# KiCad board Marble.kicad_pcb (continued)
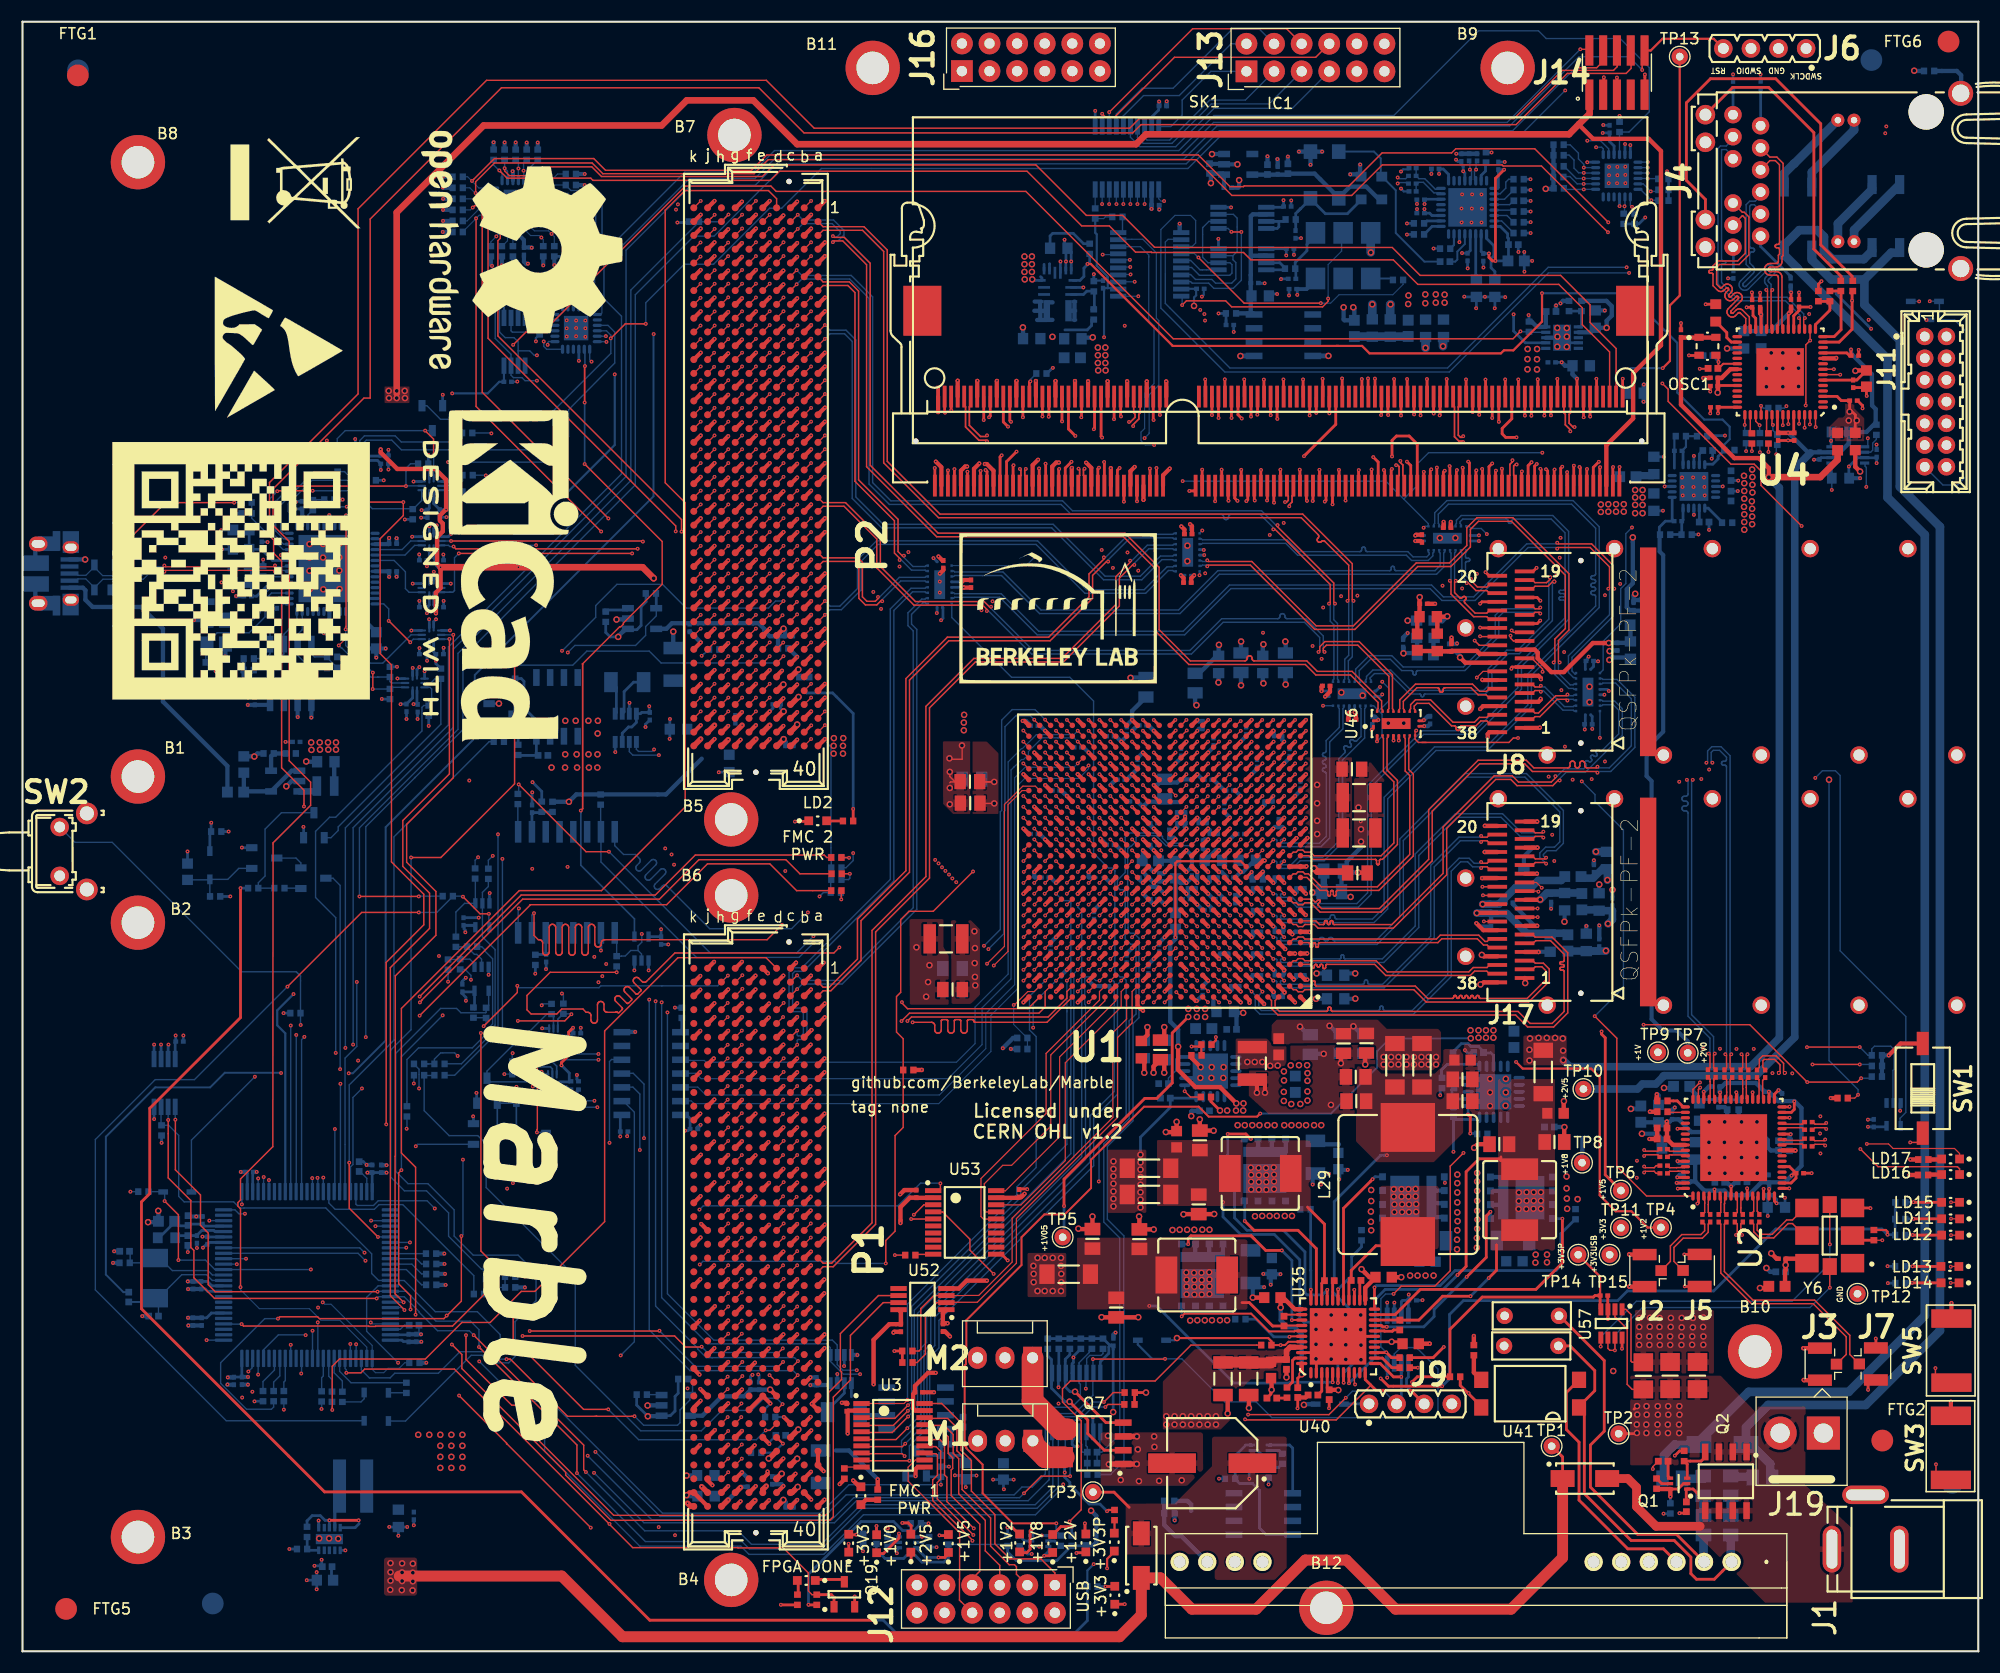
[diagram p0: board, top side]
## Routing (per net, layer and track width the routed paths; a pad name or vN(x,y) marks a point on that pad's centre or on a via; arc(x,y) is an arc through that point) (continued)
VCCAUX: length 13.3
  Top w0.381: U1.L11 v1(108.12,69.73) ; U1.P10 v1(109.12,73.73) ; U1.U11 v1(108.12,76.73) ; U1.M10 v1(109.12,70.73) ; U1.T10 v1(109.12,75.73)
  Top w0.6: C235.1 121.83,71.77 119.17,71.77 v2(118.86,72.08) 118.87,72.09
  Bottom w0.381: C223.1 108.27,76.58 v1(108.12,76.73) ; C231.1 107.97,69.88 v1(108.12,69.73) ; C229.1 109.27,70.88 v1(109.12,70.73) ; v1(109.12,75.73) 109.27,75.58 109.27,75.23 ; v1(109.12,73.73) 108.79,73.73 108.64,73.88
  Bottom w0.6: v2(118.71,69.85) 118.72,69.84 119.53,69.84 ; 119.76,71.66 119.76,69.99 ; 119.62,71.73 119.68,71.79 119.68,72.07 118.87,72.07 v2(118.86,72.08)
  vias: v2(116.09,53.38) v2(116.1,52.54) v2(116.72,53.93) v2(117.48,53.95) v2(118.23,53.95) v2(118.26,53.22) v2(118.26,52.51)
VCCAUXIO2V0: length 58.7
  Top w0.381: U1.P8 v1(111.12,73.73) ; U1.R9 v1(110.12,74.73) ; U1.T8 v1(111.12,75.73)
  Bottom w0.254: 150.64,102.89 150.64,103.47 151.2,104.02 C75.1 151.83,104.2 U47.11
  Bottom w0.381: TP7.1 153.26,56.14 152.26,57.14 150.97,57.14 149.93,58.18 149.93,80.1 149.48,80.56 149.48,83.12 151,84.65 151,100.9 150.67,101.23 150.67,102.86 ; v1(111.12,73.73) 111.1,73.73 110.43,73.05 110.43,72.81
  vias: v2(148.42,106.89) v2(148.42,106.21) v2(148.42,105.52) v2(148.42,104.76) v2(149.1,106.89) v2(149.1,106.21) v2(149.1,105.52) v2(149.1,104.76)
VCCBRAM: length 5.1
  Top w0.381: U1.T12 v1(107.12,75.73) ; U1.R13 v1(106.12,74.73) ; U1.U13 106.15,76.76 v1(106.27,76.76) ; v1(105.13,71.73) 105.13,71.74 U1.N13
  Bottom w0.4: C216.1 106.27,77.22 v1(106.27,76.76) ; v1(105.13,71.73) 104.99,71.59 C218.1 ; v1(107.12,75.73) 106.98,75.87 106.98,76.23 ; 105.61,74.88 105.97,74.88 106.09,74.76 106.12,74.76
  vias: v2(112.73,54.24) v2(113.41,54.24) v2(114.1,54.24) v2(114.83,53.89) v2(115.52,53.91)
(no net):
  vias: v1(114.79,102.76) v1(116.08,103.86)
+3.3P: length 438
  Top w0.2: TP14.1 145.2,34.48 C378.1 ; R61.1 99.93,13.01 v1(99.82,12.89) ; v1(171.65,38.34) 171.65,38.62 171.5,38.78 R32.1
  Top w0.254: U57.4 145.2,31.54 C378.1 144.72,32.74 144.58,32.6 134.34,32.6 131.38,29.64 R179.1 128.37,25.27 v1(127.89,24.78) ; v2(103.4,23.82) R14.1 102.35,23.79 R13.1 ; v1(125,25.11) 125.71,24.4 v1(130.65,24.4) ; v1(28.24,12.06) v1(30.93,12.06)
  Top w0.4: L19.1 160.56,33.44 v2(159.91,33.44) ; SK1.199 145.77,111.01 148.23,113.48 148.23,117.64 150.8,120.21 150.8,138.09 149.67,139.22 144.55,139.22 143.25,140.52 143.25,140.58 ; v1(78.33,24.58) 78.33,28.67 79.77,30.11 C20.1 80.85,31.23 U52.8
  Top w0.6: 144.24,143.56 144.24,141.54 143.25,140.58 142.34,139.64 103.4,139.64 102.49,138.73 71.29,138.73 67.26,142.76 61.13,142.76 58.82,140.45 42.44,140.45 34.44,132.45 34.44,115.76
  In2.Cu w0.254: v1(127.89,24.78) 127.89,32.53 v1(127.58,32.84) ; v1(95.92,16.46) 95.35,17.03 v1(95.35,22.8)
  In2.Cu w0.4: 159.41,32.94 148.51,32.94 147.65,32.07 147.65,28.11 147.68,28.08 147.68,27.08 v2(146.4,25.8) ; 159.81,33.34 159.45,32.97
  Bottom w0.2: v1(39.54,115.79) 42.81,115.79 43.88,116.86 C412.1 44.31,116.87 U59.8
  Bottom w0.254: v1(35.99,87.19) 36,87.2 36.36,87.2 36.3,87.25 U24.6 ; R246.1 45.45,51.95 v1(45.46,51.96) ; U54.100 20.18,25.25 C203.1 19.47,25.25 C209.1 ; 32.18,42.31 32.18,44.06 C208.1 C197.1 ; R268.1 172.36,39.79 R267.1 R266.1 ; 100.38,27.78 100.38,28.06 100.33,28.11 ; 100.38,27.78 100.38,27.93 ; 100.38,27.78 v2(100.38,22.02) ; v1(130.65,24.4) 131.34,25.08 131.34,31 132.61,32.28 146.81,32.28 147.7,33.17 155.65,33.17 161.36,38.87 171.12,38.87 v1(171.65,38.34) 172.31,38.34 R266.1 ; v1(127.58,32.84) 127.59,32.83 C192.2 ; U28.7 13.4,55.81 v1(13.43,55.85) ; C190.1 100.2,28.18 ; 100.2,28.18 100.08,28.11 99.98,28.01 99.98,27.43 99.2,26.65 U27.8 ; 100.2,28.18 100.06,28.18 99.46,28.78 R130.1 R173.1 R177.1 R176.1 R175.1 R174.1 ; R178.1 v1(12.8,46.8) ; 41.6,59.11 U10.5 41.49,60.7 40.59,60.7 40.45,60.56 40.81,60.19 v1(40.81,59.88) ; C206.1 17.02,34.05 17.43,33.64 U54.11 ; R266.1 172.35,38.33 ; 61.33,131.59 61.27,131.54 61.24,131.54 61.21,131.51 v1(60.27,131.51) ; U29.7 126.9,32.18 127.02,32.3 C192.2 ; v1(57.68,86.99) 57.68,86.47 C351.1 56.99,86.42 56.87,86.3 U32.4 56.5,85.5 56.08,85.08 55.77,85.08 55.2,84.51 U32.7 ; v2(57.55,21.63) 56.52,22.66 R261.1 ; U54.75 34.93,28.64 35.05,28.51 35.56,28.51 35.6,28.48 ; C192.2 127.55,32.26 U29.8 ; U18.8 v1(28.24,12.06) 27.84,12.06 27.4,12.49 26.67,12.49 26.18,12 R109.1 ; U28.8 14.05,56.08 C191.2 14.1,56.68 v1(14.09,56.68) ; R204.1 28.03,111.43 v1(28.01,111.45) ; U54.6 17.38,31.14 17.38,31.12 16.95,30.69 C201.1 ; R128.1 v1(37.39,85.18) ; 41.5,66.82 U7.5 ; 41.5,66.82 40.64,66.82 40.64,66.49 40.75,66.37 v1(40.75,66.18) ; 41.5,66.82 40.87,66.82 ; U25.6 37.84,92 38.05,91.79 38.05,91.18 v1(38.05,91.18) 38.05,90.91 R273.1 ; v1(12.75,55.85) 12.75,55.84 U28.6 ; U18.10 30.61,11.38 30.99,11.75 ; U43.1 59.62,21.68 60.06,22.12 60.06,23.46 60.35,23.75 R260.1 ; C198.1 21.18,44.06 21.18,42.31 ; R259.1 53.68,93.78 54.09,93.37 v2(54.82,93.37) ; U54.19 17.19,37.64 C205.1 16.92,37.46 v1(16.61,37.15) ; 57.39,97.17 57.39,96.61 56.93,96.15 56.93,94.43 56.54,94.04 55.73,94.04 ; R172.1 95.91,16.47 v1(95.92,16.46) 95.92,16.02 96.39,15.55 96.39,15.33 98.17,13.55 99.17,13.55 v1(99.82,12.89) ; R39.1 50.07,128.4 50.94,129.27 R274.1 ; R263.1 v1(24.03,58.74)
  Bottom w0.381: v1(20.75,25.25) 20.74,25.25 C203.1 ; v1(43.21,127.52) 43.1,127.64 R41.1 ; C208.1 32.19,44.06 v1(31.75,44.06) ; U5.21 45.64,130.42 46.15,129.91 C40.2 46.84,129.22 v1(46.86,129.2) ; C201.1 15.24,30.69 v1(15.24,30.7) ; C197.1 33.01,44.06 v1(33.5,44.06) ; R40.1 v1(47.93,127.57) ; v1(48.94,127.6) 48.94,127.6 R39.1 ; R51.2 v1(44.37,138.89) ; R45.2 v1(38.71,131.66) ; R75.2 v1(51.74,134.97) ; R48.2 v1(38.71,132.68) ; R46.2 v1(38.68,130.65) ; 35.6,28.48 36.69,28.48 v1(36.7,28.49) ; C206.1 15.22,34.05 v1(15.21,34.05) ; C209.1 19.43,25.21 v1(18.89,25.21) ; R52.2 43.35,138.9 v1(43.36,138.9) ; R57.2 v1(51.76,133.95) ; v1(38.71,133.7) R47.2 ; C198.1 v1(21.55,44.12)
  Bottom w0.4: v2(117.94,22.68) 118.01,22.75 D5.1 ; 55.32,93.89 55.31,93.91 55.31,93.92 54.82,93.44 v2(54.82,93.37) ; U17.4 74.17,24.51 72.52,24.51 v1(72.51,24.5) ; v2(11.55,39.5) 12.51,39.5 12.51,40.53 v2(12.49,40.54) ; 57.55,21.64 58.68,21.64
  vias: v2(33.7,116.02) v2(33.73,115.36) v2(34.44,116.02) v2(34.44,115.36) v2(35.18,116.02) v2(35.2,115.36) v2(36.42,19.93) v2(37.44,19.93) v2(38.45,19.93) v2(38.45,18.91) v2(38.45,17.9) v2(38.45,16.88) v2(39.47,19.93) v2(39.47,18.91) v2(39.47,17.9) v2(39.47,16.88) v2(40.48,19.93) v2(40.48,18.91) v2(40.48,17.9) v2(40.48,16.88)
/ALERT: length 160.9
  Top w0.127: v1(96.42,16.12) 93.75,16.12 v1(92.17,14.54)
  In2.Cu w0.127: v1(53.69,121.06) 53.22,120.59 53.22,105.67 48.21,100.65 48.21,81.14 48.82,80.53 48.82,54.22 48.87,54.17 48.87,47.13 48.92,47.08 48.92,21.1 v1(52.02,18)
  Bottom w0.127: U39.5 53.68,121.05 v1(53.69,121.06) ; 60.68,12.11 74.47,12.11 76.5,14.14 91.77,14.14 v1(92.17,14.54) ; 60.68,12.11 60.59,12.11 ; 60.68,12.11 57.91,12.11 v1(52.02,18) ; v1(96.42,16.12) 96.42,18.22 96.34,18.29 R172.2 95.97,18.35 95.97,20.2
/EN_CON_JTAG: length 264.4
  Top w0.127: v1(47.34,47.77) 47.34,48.02 47.38,48.06 47.38,54.47 47.35,54.51 v1(47.35,54.75) ; v1(54.14,120.86) 55.47,122.19 v1(57.36,122.19)
  In2.Cu w0.127: v1(141.98,143.68) 169.44,143.68 172.34,140.78 172.34,127.47 v1(175.54,124.27) ; v1(47.29,113.4) 47.29,111.65 47.7,111.24 47.7,102.25 v1(47.27,101.82) 47.27,92.55 47.24,92.52 47.24,81.07 46.57,80.4 46.57,71.17 46.73,71.01 46.73,61.64 47.35,61.02 v1(47.35,54.75)
  Bottom w0.127: Q6.1 37.22,114.65 38.47,113.4 v1(47.29,113.4) 48.08,113.4 54.15,119.47 54.15,121.14 53.74,121.55 U39.4 ; v1(47.34,47.77) 48.17,47.77 D14.1 ; C193.1 176.42,124.22 D15.1 176.37,124.27 v1(175.54,124.27) ; C193.1 177.82,122.55 179.08,121.29 179.08,108.35 178.09,107.36 176.74,107.36 J11.13 ; C193.1 176.35,122.47 ; v1(57.36,122.19) 57.36,124.13 60.91,127.68 63.6,127.68 68.75,132.83 69.52,132.83 ; 69.52,132.83 69.87,132.83 73.53,136.49 107.26,136.49 110.39,139.61 137.92,139.61 v1(141.98,143.68) ; 69.52,132.83 69.29,132.83 ; R166.2 47.25,101.81 v1(47.27,101.82)
/EN_USB_JTAG: length 109.9
  Top w0.127: v1(29.84,105.35) 30.27,105.78 v1(35.05,105.78) 35.05,104.55 32.92,102.41 32.92,91.84 33.96,90.8 33.96,72.66 36.93,69.69 36.93,66.87 33.47,63.41 v1(33.47,48.5)
  In2.Cu w0.127: v1(33.47,48.5) 34.18,48.5 v1(36.2,46.49)
  In4.Cu w0.127: v1(35.05,105.78) 35.48,105.78 v1(39.16,109.46)
  Bottom w0.127: v1(29.84,105.35) 28.41,105.35 27.77,105.99 R127.1 26.76,106.01 R200.1 ; v1(39.16,109.46) 47.93,109.46 50.26,111.8 50.26,114.29 54.51,118.58 54.51,121.43 53.88,122.05 U39.3 ; Q5.1 36.37,46.67 v1(36.2,46.49)
/ETH_PHY/CLK_25MHZ: length 241.2
  Top w0.178: v1(154.37,118.05) 155.13,118.05 155.14,118.07
  In4.Cu w0.178: v1(30.03,53.2) 23.82,53.2 v1(23.8,53.23)
  In9.Cu w0.178: v1(154.37,118.05) 154.37,122.63 147.7,129.3 131.31,129.3 131.14,129.12 v1(129.87,129.12) 129.87,129.73 123.23,136.36 62.43,136.36 58.09,132.02 v1(58.09,121.25)
  Bottom w0.178: v1(23.8,53.23) 23.77,53.25 18.62,53.25 17.27,51.91 12.21,51.91 7.67,47.36 7.67,34.67 9.29,33.05 C102.2 ; 58.07,121.26 58.07,106.31 41.63,89.87 41.63,84.06 33.42,75.86 33.42,56.23 30.4,53.2 v1(30.03,53.2)
  Bottom w0.2: v1(129.87,129.12) 130.45,129.12 R79.2
/ETH_PHY/LED_0: length 6.5
  Top w0.254: R80.1 167.35,125.21 R67.2 167.37,125.19 167.37,121.65 166.73,121.01 U4.14
/ETH_PHY/LED_1: length 11.5
  Top w0.254: v1(165.57,126.11) 165.29,125.83 R65.1 ; 168.26,125.02 R156.2 168.39,125.15 v1(168.39,124.32) 168.39,121.7 167.2,120.51 U4.13
  In2.Cu w0.254: v1(165.57,126.11) 166.59,126.11 v1(168.39,124.32)
/ETH_PHY/MDI0_N: length 20
  Top w0.13: 157.43,133.32 158.28,132.46 158.46,132.46 158.89,132.04 158.89,128.55 157.99,127.65 156.17,127.65 155.91,127.39 155.91,125.84 156.21,125.55 156.23,125.53 156.26,125.51 156.29,125.51 156.32,125.51 156.35,125.51 156.38,125.53 156.4,125.55 156.58,125.72 156.65,125.78 156.74,125.83 156.84,125.85 156.94,125.85 157.03,125.83 157.12,125.78 157.2,125.72 157.24,125.68 157.3,125.61 157.34,125.52 157.36,125.42 157.36,125.33 157.34,125.23 157.3,125.14 157.24,125.06 157.06,124.89 157.04,124.86 157.03,124.84 157.02,124.81 157.02,124.78 157.03,124.75 157.04,124.72 157.06,124.7 157.08,124.68 157.11,124.66 157.14,124.66 157.17,124.66 157.2,124.66 157.23,124.68 157.25,124.7 157.5,124.94 157.57,125.01 157.66,125.05 157.76,125.07 157.86,125.07 157.95,125.05 158.04,125.01 158.12,124.94 158.15,124.91 158.22,124.83 158.26,124.74 158.28,124.65 158.28,124.55 158.26,124.45 158.22,124.36 158.15,124.29 157.25,123.39 157.23,123.36 157.22,123.33 157.21,123.31 157.21,123.27 157.22,123.25 157.23,123.22 157.25,123.19 157.28,123.18 157.3,123.16 157.33,123.16 157.36,123.16 157.39,123.16 157.42,123.18 157.44,123.19 157.69,123.44 157.77,123.5 157.86,123.55 157.95,123.57 158.05,123.57 158.15,123.55 158.24,123.5 158.31,123.44 158.93,122.82 158.93,121.8 U4.27
/ETH_PHY/MDI0_P: length 20
  Top w0.13: U4.28 158.6,121.8 158.6,122.69 158.1,123.19 158.07,123.21 158.05,123.22 158.02,123.23 157.99,123.23 157.96,123.22 157.93,123.21 157.91,123.19 157.66,122.94 157.58,122.88 157.49,122.84 157.4,122.82 157.3,122.82 157.2,122.84 157.12,122.88 157.04,122.94 157,122.98 156.94,123.06 156.9,123.15 156.88,123.24 156.88,123.34 156.9,123.43 156.94,123.52 157,123.6 157.9,124.5 157.92,124.53 157.93,124.55 157.94,124.58 157.94,124.61 157.93,124.64 157.92,124.67 157.9,124.69 157.88,124.71 157.85,124.72 157.82,124.73 157.79,124.73 157.76,124.72 157.74,124.71 157.71,124.69 157.46,124.44 157.39,124.38 157.3,124.34 157.2,124.32 157.1,124.32 157.01,124.34 156.92,124.38 156.84,124.44 156.81,124.48 156.74,124.56 156.7,124.65 156.68,124.74 156.68,124.84 156.7,124.94 156.74,125.03 156.81,125.1 156.98,125.28 157,125.3 157.02,125.33 157.02,125.36 157.02,125.39 157.02,125.42 157,125.45 156.98,125.47 156.96,125.49 156.93,125.5 156.9,125.51 156.87,125.51 156.84,125.5 156.82,125.49 156.79,125.47 156.61,125.29 156.54,125.23 156.45,125.19 156.35,125.17 156.26,125.17 156.16,125.19 156.07,125.23 156,125.29 155.59,125.7 155.59,126.72 155.58,126.75 155.57,126.78 155.56,126.81 155.54,126.83 155.51,126.84 155.48,126.85 155.46,126.85 155.33,126.85 155.3,126.86 155.27,126.87 155.25,126.88 155.23,126.9 155.21,126.93 155.2,126.96 155.2,126.98 155.2,127.01 155.21,127.04 155.23,127.07 155.25,127.09 155.27,127.1 155.3,127.11 155.33,127.11 155.46,127.11 155.48,127.12 155.51,127.13 155.54,127.14 155.56,127.16 155.57,127.19 155.58,127.22 155.59,127.24 155.59,127.53 156.04,127.98 157.85,127.98 158.56,128.68 158.56,131.9 158.32,132.13 158.28,132.13 J4.11
/ETH_PHY/MDI1_N: length 20
  Top w0.13: U4.23 160.93,121.8 160.93,125.2 v1(161.04,125.31)
  Bottom w0.13: J4.5 159.97,132.58 159.39,133.15 159.09,133.15 158.96,133.02 158.96,129.33 158.97,129.29 158.98,129.25 159,129.22 159.03,129.19 159.06,129.17 159.1,129.16 159.14,129.15 159.24,129.15 159.27,129.15 159.31,129.14 159.34,129.12 159.37,129.09 159.39,129.05 159.41,129.02 159.41,128.98 159.41,128.94 159.39,128.9 159.37,128.87 159.34,128.84 159.31,128.82 159.27,128.81 159.24,128.8 159.14,128.8 159.1,128.8 159.06,128.79 159.03,128.77 159,128.74 158.98,128.7 158.97,128.67 158.96,128.63 158.96,127.8 159.26,127.5 159.33,127.41 159.38,127.32 159.4,127.21 159.4,127.1 159.38,126.99 159.33,126.9 159.26,126.81 158.38,125.93 158.36,125.9 158.34,125.86 158.33,125.82 158.33,125.78 158.34,125.74 158.36,125.7 158.38,125.67 158.41,125.64 158.45,125.63 158.49,125.62 158.53,125.62 158.57,125.63 158.61,125.64 158.64,125.67 160.45,127.48 160.54,127.55 160.63,127.59 160.74,127.62 160.85,127.62 160.95,127.59 161.05,127.55 161.14,127.48 161.18,127.44 161.25,127.35 161.29,127.25 161.32,127.15 161.32,127.04 161.29,126.93 161.25,126.84 161.18,126.75 160.72,126.3 160.7,126.26 160.68,126.23 160.67,126.19 160.67,126.14 160.68,126.1 160.7,126.07 160.72,126.03 160.93,125.83 160.93,125.42 v1(161.04,125.31)
/ETH_PHY/MDI1_P: length 20
  Top w0.13: U4.24 160.6,121.8 160.6,125.2 v1(160.49,125.31)
  Bottom w0.13: v1(160.49,125.31) 160.6,125.42 160.6,125.69 160.47,125.82 160.4,125.91 160.36,126 160.33,126.11 160.33,126.22 160.36,126.33 160.4,126.42 160.47,126.51 160.93,126.96 160.95,127 160.97,127.03 160.98,127.07 160.98,127.11 160.97,127.16 160.95,127.19 160.93,127.22 160.89,127.25 160.86,127.27 160.82,127.28 160.77,127.28 160.73,127.27 160.7,127.25 160.66,127.22 158.85,125.42 158.77,125.35 158.67,125.3 158.57,125.28 158.46,125.28 158.35,125.3 158.25,125.35 158.17,125.42 158.13,125.46 158.06,125.54 158.01,125.64 157.99,125.75 157.99,125.86 158.01,125.96 158.06,126.06 158.13,126.14 159.01,127.02 159.03,127.06 159.05,127.09 159.06,127.13 159.06,127.18 159.05,127.22 159.03,127.25 159.01,127.29 158.63,127.66 158.63,133.15 158.96,133.48 159.47,133.48 159.97,133.98 J4.4
/ETH_PHY/MDI2_N: length 19.9
  Top w0.13: J4.2 160.82,137.54 161.46,137.54 162.04,136.96 162.04,128.47 161.93,128.37 161.93,127.93 161.92,127.81 161.88,127.71 161.82,127.61 161.74,127.53 161.64,127.47 161.54,127.43 161.42,127.42 160.88,127.42 160.83,127.41 160.79,127.4 160.75,127.37 160.71,127.34 160.69,127.3 160.67,127.26 160.67,127.21 160.67,127.16 160.69,127.12 160.71,127.08 160.75,127.04 160.79,127.02 160.83,127 160.88,127 161.42,127 161.54,126.99 161.64,126.95 161.74,126.89 161.82,126.81 161.88,126.71 161.92,126.6 161.93,126.49 161.93,121.8 U4.21
/ETH_PHY/MDI2_P: length 19.9
  Top w0.13: J4.3 160.82,137.21 161.32,137.21 161.71,136.83 161.71,129.65 161.7,129.61 161.69,129.58 161.67,129.55 161.65,129.53 161.62,129.51 161.59,129.5 161.56,129.5 161.45,129.5 161.42,129.49 161.39,129.48 161.36,129.47 161.34,129.44 161.32,129.41 161.31,129.38 161.3,129.35 161.31,129.31 161.32,129.28 161.34,129.25 161.36,129.23 161.39,129.21 161.42,129.2 161.45,129.2 161.56,129.2 161.59,129.19 161.62,129.18 161.65,129.17 161.67,129.14 161.69,129.11 161.7,129.08 161.71,129.05 161.71,128.61 161.6,128.5 161.6,127.96 161.6,127.91 161.58,127.87 161.56,127.83 161.52,127.79 161.48,127.77 161.44,127.75 161.39,127.75 160.85,127.75 160.73,127.74 160.63,127.7 160.53,127.64 160.45,127.56 160.39,127.46 160.35,127.35 160.34,127.24 160.34,127.18 160.35,127.06 160.39,126.96 160.45,126.86 160.53,126.78 160.63,126.72 160.73,126.68 160.85,126.67 161.39,126.67 161.44,126.66 161.48,126.65 161.52,126.62 161.56,126.59 161.58,126.55 161.6,126.51 161.6,126.46 161.6,121.8 U4.22
/ETH_PHY/MDI3_N: length 24.6
  Top w0.13: U4.17 163.93,121.8 163.93,122.61 v1(164.04,122.72)
  Bottom w0.13: v1(164.04,122.72) 163.93,122.83 163.93,123.11 162.4,124.64 157.72,124.64 156.37,125.99 156.37,127.6 156.38,127.63 156.39,127.66 156.4,127.68 156.42,127.7 156.45,127.72 156.47,127.73 156.5,127.73 156.63,127.73 156.66,127.73 156.69,127.74 156.71,127.76 156.73,127.78 156.75,127.8 156.76,127.83 156.76,127.86 156.76,127.89 156.75,127.92 156.73,127.94 156.71,127.96 156.69,127.98 156.66,127.99 156.63,127.99 156.5,127.99 156.47,127.99 156.45,128 156.42,128.02 156.4,128.04 156.39,128.06 156.38,128.09 156.37,128.12 156.37,138.2 156.4,138.23 156.8,138.23 157.43,137.61 J4.9
/ETH_PHY/MDI3_P: length 24.6
  Top w0.13: v1(163.49,122.72) 163.6,122.61 163.6,121.8 U4.18
  Bottom w0.13: v1(163.49,122.72) 163.6,122.83 163.6,122.97 162.26,124.31 157.59,124.31 156.04,125.86 156.04,138.34 156.27,138.56 156.81,138.56 157.43,139.18 J4.8
/ETH_PHY/MII_MDC: length 253.1
  In4.Cu w0.127: v1(20.22,23.36) 30.28,13.29 94.67,13.29 96.41,15.02 96.43,15.02 96.61,15.2 96.61,15.22 101.39,20.01 101.39,24 104.65,27.25 112.1,27.25 116.6,31.76 134.73,31.76 135.2,32.22 158.02,32.22 159.7,33.9 160.04,33.9 161.07,34.93 161.07,35.18 174.24,48.35 174.24,61.64 172.34,63.54 172.34,104.54 v1(169.69,107.18)
  In7.Cu w0.127: v1(20.22,23.36) 20.22,26.64 20.57,26.99 v1(20.57,36.13)
  Bottom w0.127: 169.58,109.37 169.58,109.09 169.69,108.98 v1(169.69,107.18) ; U54.16 20.57,36.14 v1(20.57,36.13)
/ETH_PHY/MII_MDIO: length 254.1
  In4.Cu w0.112: 159.39,34.29 159.39,34.97 159.8,35.38 ; 159.8,35.38 159.75,35.33 ; 159.8,35.38 160.35,35.93 160.93,35.93 161.22,36.22
  In4.Cu w0.127: 161.22,36.22 172.1,47.1 172.1,101.32 v1(166.52,106.9) ; 159.39,34.29 157.79,32.68 135.07,32.68 134.73,32.34 129.62,32.34 129.3,32.67 127.92,32.67 127.69,32.44 115.6,32.44 111.02,27.85 104.47,27.85 100.89,24.27 100.89,21.51 96.72,17.34 94.08,17.34 91.26,14.52 61.65,14.52 61.33,14.83 30.21,14.83 v1(21.16,23.89)
  In7.Cu w0.127: v1(20.47,40.27) 21.16,39.59 v1(21.16,23.89)
  Bottom w0.127: v1(166.52,106.9) 166.52,106.9 R62.1 ; 166.48,108.13 166.48,107.95 ; U54.25 19.55,40.64 19.91,40.27 v1(20.47,40.27)
  Bottom w0.254: 166.48,108.13 166.48,108.13 166.48,109.36
/ETH_PHY/PHY_RSTn: length 112.5
  Top w0.102: U1.B9 110.12,60.73 v1(110.12,60.73)
  Top w0.127: U4.16 164.52,120.67 v1(164.53,120.66) 164.13,120.26 164.13,114.95 164.11,114.93 v1(164.11,114.68)
  In2.Cu w0.127: v1(110.12,60.73) 110.12,60.44 110.6,59.96 110.6,59.71 110.98,59.32 113.37,59.32 113.99,58.71 121.19,58.71 121.59,59.11 138.19,59.11 139.22,58.08 148.23,58.08 150.09,59.93 150.09,59.94 165.58,75.43 165.73,75.58 165.73,113.32 164.37,114.68 v1(164.11,114.68)
/ETH_PHY/POE_VC1: length 8.2
  Bottom w0.8: 167.08,140.91 167.03,140.91 163.07,136.94 163.04,136.94 162.14,136.04 D6.3
/ETH_PHY/POE_VC2: length 6.6
  Bottom w0.8: 167.08,129.73 167.08,131.42 170.22,134.56 D7.3
/ETH_PHY/POE_VC3: length 7.7
  Bottom w0.8: 168.57,140.91 168.57,140.03 164.68,136.14 D6.4
/ETH_PHY/POE_VC4: length 7
  Bottom w0.8: D7.4 168.57,130.82 168.57,129.73
/ETH_PHY/RGMII_RX_CLK: length 112.5
  Top w0.102: U1.E11 v1(108.12,63.73)
  In2.Cu w0.127: v1(162.34,114.61) 162.72,114.23 164.28,114.23 165.45,113.07 165.45,109.12 164.49,108.16 164.49,105.7 163.4,104.61 163.4,92.01 164.13,91.28 164.11,79.67 162.57,78.13 162.57,73.54 149.23,60.2 146.49,60.2 145.26,58.97 142.65,58.97 140.86,60.77 139.33,60.77 138.06,59.51 129.61,59.51 129.54,59.52 129.46,59.54 129.4,59.58 129.34,59.64 129.3,59.7 129.27,59.78 129.26,59.93 129.23,60.01 129.19,60.07 129.13,60.13 129.07,60.17 128.99,60.2 128.92,60.21 128.56,60.21 128.49,60.2 128.41,60.17 128.35,60.13 128.29,60.07 128.25,60.01 128.22,59.93 128.22,59.86 128.22,59.51 128.21,59.51 128.21,59.43 128.21,59.42 128.21,59.4 128.2,59.39 128.19,59.37 128.17,59.37 128.16,59.36 128.14,59.36 127.24,59.36 127.22,59.36 127.21,59.37 127.19,59.37 127.18,59.39 127.17,59.4 127.17,59.42 127.16,59.45 127.16,59.47 127.15,59.48 127.14,59.49 127.12,59.5 127.11,59.51 127.09,59.51 120.96,59.51 120.69,59.24 114.11,59.24 113.28,60.07 111.28,60.07 110.14,61.21 108.83,61.21 108.49,61.56 108.49,62.54 108.46,62.57 108.46,62.6 108.46,63.39 v1(108.12,63.73)
  Bottom w0.127: R292.2 162.16,114.44 v1(162.34,114.61)
/ETH_PHY/RGMII_RX_DV: length 89.8
  Top w0.102: U1.J11 v1(108.12,67.73)
  In2.Cu w0.127: v1(108.12,67.73) 108.62,67.73 110.05,69.16 119.95,69.16 121.05,68.06 129.93,68.06 130.5,67.49 134.08,67.49 134.23,67.64 137.71,67.64 138.12,67.24 140.89,67.24 141.45,67.8 147.37,67.8 156.89,77.32 156.89,108.73 v1(158.63,110.47)
  Bottom w0.13: R291.2 v1(158.63,110.47)
/ETH_PHY/RGMII_RXD0: length 104.7
  Top w0.102: 108.6,68.22 v1(109.1,67.72)
  Top w0.13: R293.2 v1(159.17,110.47)
  In2.Cu w0.127: v1(109.1,67.72) 109.73,68.36 120.07,68.36 121.06,67.36 129.68,67.36 130.62,66.42 131.17,66.42 131.19,66.42 131.21,66.41 131.23,66.4 131.24,66.38 131.26,66.37 131.26,66.34 131.27,66.3 131.27,66.28 131.29,66.26 131.3,66.24 131.32,66.23 131.34,66.22 131.36,66.22 131.77,66.22 131.79,66.22 131.81,66.23 131.83,66.24 131.84,66.26 131.86,66.28 131.86,66.3 131.86,66.32 131.86,66.42 131.87,66.42 131.87,66.92 131.87,66.99 131.9,67.05 131.93,67.11 131.98,67.16 132.04,67.19 132.1,67.21 132.17,67.22 132.23,67.21 132.3,67.19 132.35,67.16 132.4,67.11 132.44,67.05 132.46,66.99 132.47,66.92 132.47,66.32 132.47,66.3 132.48,66.28 132.49,66.26 132.5,66.24 132.52,66.23 132.54,66.22 132.56,66.22 132.97,66.22 132.99,66.22 133.01,66.23 133.03,66.24 133.04,66.26 133.06,66.28 133.06,66.3 133.07,66.32 133.07,66.6 133.07,66.64 133.08,66.67 133.1,66.71 133.13,66.73 133.16,66.75 133.2,66.77 133.24,66.77 133.49,66.77 133.53,66.77 133.57,66.75 133.6,66.73 133.63,66.71 133.65,66.67 133.66,66.64 133.67,66.6 133.67,66.32 133.67,66.3 133.68,66.28 133.69,66.26 133.7,66.24 133.72,66.23 133.74,66.22 133.76,66.22 134.17,66.22 134.19,66.22 134.21,66.23 134.23,66.24 134.24,66.26 134.26,66.28 134.26,66.3 134.27,66.32 134.27,66.62 134.27,66.67 134.29,66.71 134.31,66.75 134.34,66.78 134.38,66.8 134.42,66.82 134.46,66.82 134.67,66.82 134.71,66.82 134.75,66.8 134.79,66.78 134.82,66.75 134.85,66.71 134.86,66.67 134.87,66.62 134.87,66.32 134.87,66.3 134.88,66.28 134.89,66.26 134.9,66.24 134.92,66.23 134.94,66.22 134.96,66.22 135.37,66.22 135.39,66.22 135.41,66.23 135.43,66.24 135.44,66.26 135.46,66.28 135.46,66.3 135.47,66.32 135.47,67.07 135.47,67.14 135.5,67.2 135.53,67.26 135.58,67.31 135.64,67.34 135.7,67.36 135.77,67.37 135.83,67.36 135.9,67.34 135.95,67.31 136,67.26 136.04,67.2 136.06,67.14 136.07,67.07 136.07,66.32 136.07,66.3 136.08,66.28 136.09,66.26 136.1,66.24 136.12,66.23 136.14,66.22 136.16,66.22 136.57,66.22 136.59,66.22 136.61,66.23 136.63,66.24 136.64,66.26 136.66,66.28 136.66,66.3 136.67,66.32 136.67,67.07 136.67,67.14 136.7,67.2 136.73,67.26 136.78,67.31 136.84,67.34 136.9,67.36 136.97,67.37 137.03,67.36 137.1,67.34 137.15,67.31 137.2,67.26 137.24,67.2 137.26,67.14 137.27,67.07 137.27,66.32 137.27,66.3 137.28,66.28 137.29,66.26 137.3,66.24 137.32,66.23 137.34,66.22 137.36,66.22 137.77,66.22 137.79,66.22 137.81,66.23 137.83,66.24 137.84,66.26 137.86,66.28 137.86,66.3 137.87,66.32 137.87,66.7 137.87,66.76 137.89,66.82 137.93,66.87 137.97,66.91 138.02,66.94 138.08,66.96 138.14,66.97 138.19,66.97 138.25,66.96 138.31,66.94 138.36,66.91 138.41,66.87 138.44,66.82 138.46,66.76 138.47,66.7 138.47,66.32 138.47,66.3 138.48,66.28 138.49,66.26 138.5,66.24 138.52,66.23 138.54,66.22 138.56,66.22 141.85,66.22 142.85,67.22 145.36,67.22 145.69,67.55 147.6,67.55 152.93,72.89 153.59,72.89 153.95,73.26 153.97,73.28 153.99,73.31 153.99,73.35 153.99,73.38 153.99,73.41 153.97,73.44 153.95,73.47 153.76,73.66 153.76,73.84 154.01,74.09 154.03,74.1 154.05,74.12 154.08,74.12 154.11,74.12 154.13,74.12 154.16,74.1 154.18,74.09 154.38,73.89 154.4,73.87 154.43,73.86 154.46,73.85 154.5,73.85 154.53,73.86 154.56,73.87 154.59,73.89 154.8,74.11 154.82,74.13 154.84,74.16 154.84,74.2 154.84,74.23 154.84,74.26 154.82,74.29 154.8,74.32 154.61,74.51 154.59,74.53 154.58,74.56 154.57,74.59 154.57,74.61 154.58,74.64 154.59,74.67 154.61,74.69 154.85,74.94 154.88,74.95 154.9,74.97 154.93,74.97 154.96,74.97 154.98,74.97 155.01,74.95 155.03,74.94 155.22,74.74 155.25,74.72 155.28,74.71 155.31,74.7 155.35,74.7 155.38,74.71 155.41,74.72 155.44,74.74 155.65,74.95 155.67,74.98 155.68,75.01 155.69,75.04 155.69,75.08 155.68,75.11 155.67,75.14 155.65,75.17 155.45,75.36 155.44,75.38 155.43,75.41 155.42,75.43 155.42,75.46 155.43,75.49 155.44,75.51 155.45,75.54 155.7,75.78 155.72,75.8 155.75,75.81 155.78,75.82 155.8,75.82 155.83,75.81 155.86,75.8 155.88,75.78 156.07,75.59 156.1,75.57 156.13,75.56 156.16,75.55 156.2,75.55 156.23,75.56 156.26,75.57 156.28,75.59 156.5,75.8 156.52,75.83 156.53,75.86 156.54,75.89 156.54,75.93 156.53,75.96 156.52,75.99 156.5,76.01 156.3,76.21 156.29,76.23 156.27,76.26 156.27,76.28 156.27,76.31 156.27,76.34 156.29,76.36 156.3,76.38 156.55,76.63 156.57,76.65 156.6,76.66 156.63,76.67 156.65,76.67 156.68,76.66 156.71,76.65 156.75,76.62 156.77,76.6 156.8,76.6 156.83,76.6 156.86,76.6 156.88,76.62 156.9,76.63 157.26,76.99 157.26,77.29 157.27,77.36 157.29,77.42 157.33,77.48 157.37,77.53 157.43,77.56 157.49,77.58 157.56,77.59 157.61,77.59 157.68,77.6 157.74,77.62 157.8,77.66 157.84,77.7 157.88,77.76 157.9,77.82 157.91,77.89 157.9,77.96 157.88,78.02 157.84,78.08 157.8,78.13 157.74,78.16 157.68,78.18 157.61,78.19 157.21,78.19 157.2,78.19 157.19,78.2 157.18,78.2 157.17,78.21 157.17,78.22 157.16,78.23 157.16,78.24 157.16,78.74 157.16,78.75 157.17,78.76 157.17,78.77 157.18,78.78 157.19,78.79 157.2,78.79 157.21,78.79 157.61,78.79 157.68,78.8 157.74,78.82 157.8,78.86 157.84,78.9 157.88,78.96 157.9,79.02 157.91,79.09 157.9,79.16 157.88,79.22 157.84,79.28 157.8,79.33 157.74,79.36 157.68,79.38 157.61,79.39 157.21,79.39 157.2,79.39 157.19,79.4 157.18,79.4 157.17,79.41 157.17,79.42 157.16,79.43 157.16,79.44 157.16,79.94 157.16,79.95 157.17,79.96 157.17,79.97 157.18,79.98 157.19,79.99 157.2,79.99 157.21,79.99 157.61,79.99 157.68,80 157.74,80.02 157.8,80.06 157.84,80.1 157.88,80.16 157.9,80.22 157.91,80.29 157.9,80.36 157.88,80.42 157.84,80.48 157.8,80.53 157.74,80.56 157.68,80.58 157.61,80.59 157.21,80.59 157.2,80.59 157.19,80.6 157.18,80.6 157.17,80.61 157.17,80.62 157.16,80.63 157.16,80.64 157.16,81.14 157.16,81.15 157.17,81.16 157.17,81.17 157.18,81.18 157.19,81.19 157.2,81.19 157.22,81.19 157.23,81.2 157.24,81.2 157.25,81.21 157.26,81.22 157.26,81.23 157.26,81.24 157.26,108.57 v1(159.17,110.47)